# KiCad board PingDevKit-copy.kicad_pcb (continued)
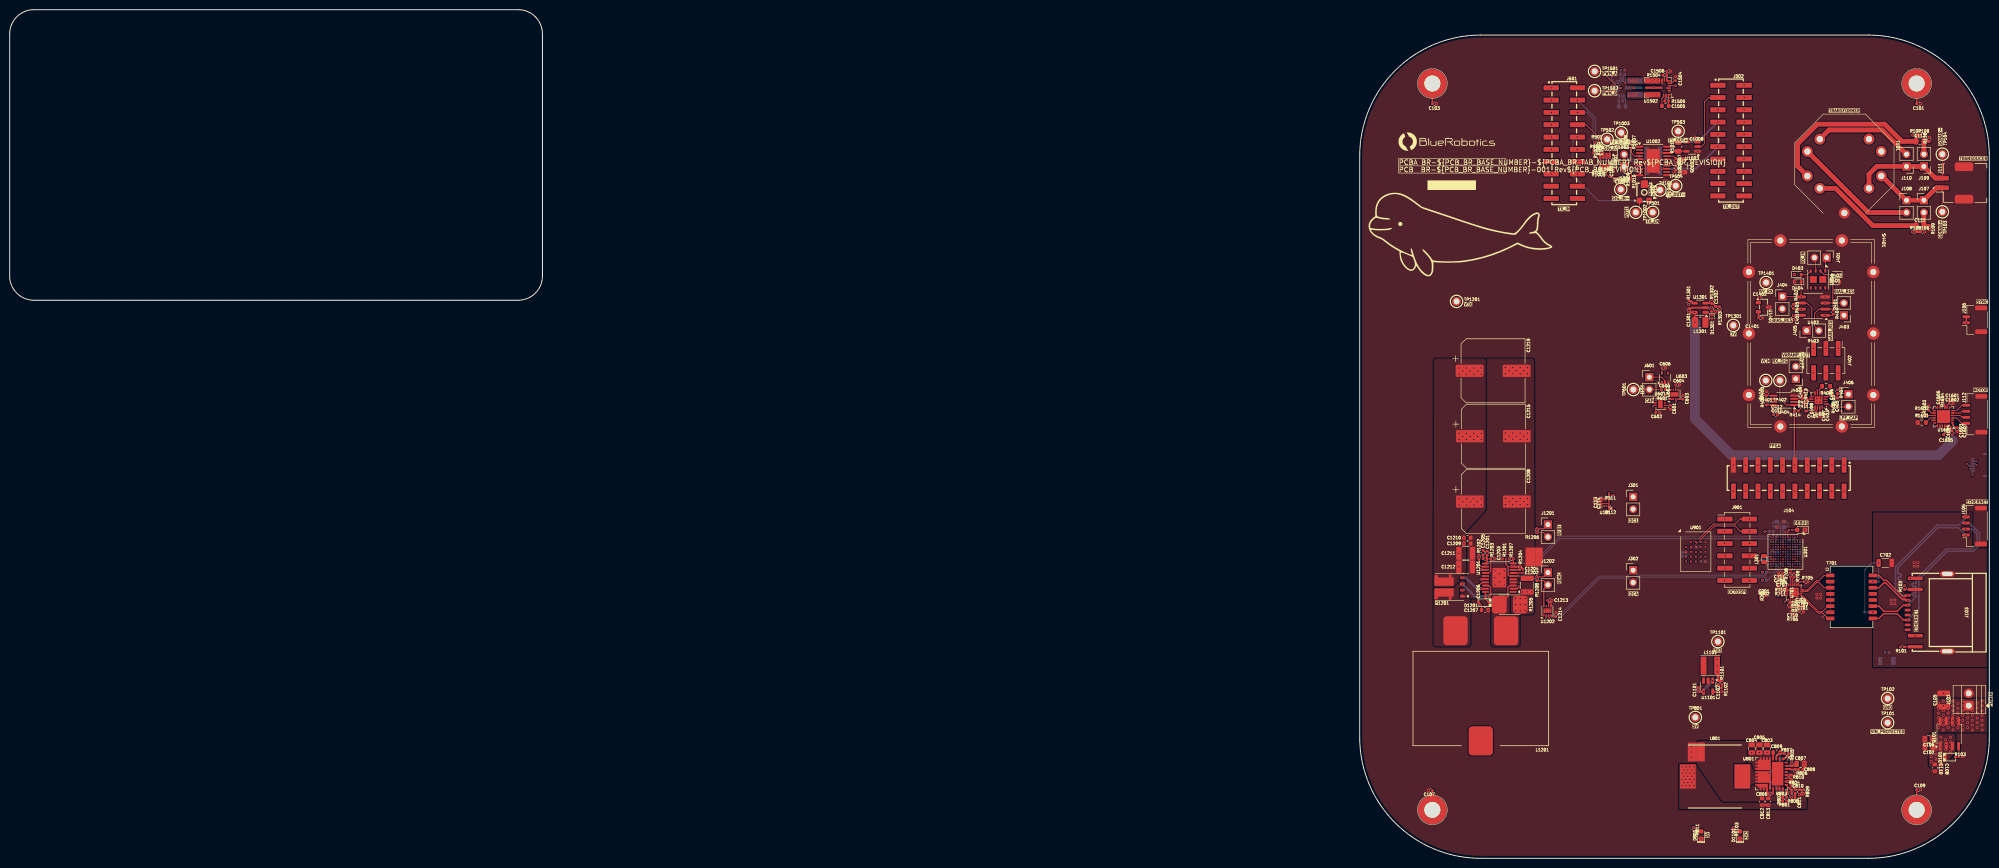
[diagram p0: board, top side]
## Routing (per net, layer and track width the routed paths; a pad name or vN(x,y) marks a point on that pad's centre or on a via; arc(x,y) is an arc through that point) (continued)
/ETH.RX-: length 39.1
  Top w0.3: v2(391.88,49.22) 390.98,49.22 389.7,50.5 386.94,50.5 385.98,49.53 T701.9
  Bottom w0.3: v2(391.88,49.22) 394.18,51.52 394.18,57.52 400.04,63.38 405.42,63.38 406.73,64.69 406.73,67.16 404.67,69.22 v2(403.84,69.22)
/ETH.TX+: length 36.4
  Top w0.3: v2(391.88,54.32) 391.56,54.32 391.3,54.06 390.87,54.06 387.53,57.4 387,57.4 385.98,58.42 T701.16
  Bottom w0.3: v2(391.88,54.32) 390.81,54.32 389.88,55.25 389.88,56.67 arc(389.95,56.84) 390.12,56.91 390.34,56.91 arc(390.51,56.98) 390.58,57.15 390.58,57.27 arc(390.51,57.44) 390.34,57.51 390.12,57.51 arc(389.95,57.58) 389.88,57.75 389.88,57.87 arc(389.95,58.04) 390.12,58.11 390.34,58.11 arc(390.51,58.18) 390.58,58.35 390.58,58.47 arc(390.51,58.64) 390.34,58.71 390.12,58.71 arc(389.95,58.78) 389.88,58.95 389.88,60.04 398.12,68.27 402.39,68.27 v2(403.94,66.72)
/ETH.TX-: length 36.4
  Top w0.3: v2(391.88,53.3) 391.56,53.3 391.3,53.56 390.67,53.56 387.33,56.9 387,56.9 385.98,55.88 T701.14
  Bottom w0.3: v2(403.94,70.32) 402.39,68.77 397.91,68.77 389.38,60.24 389.38,54.88 390.96,53.3 v2(391.88,53.3)
/Ethernet/RD_N: length 8.2
  Top w0.2: U701.7 370.03,53.81 370.23,53.81 373.39,50.65 374.31,50.65 375.43,49.53 T701.8
/Ethernet/RD_P: length 7.8
  Top w0.2: U701.8 370.03,54.11 370.35,54.11 373.51,50.95 374.31,50.95 375.43,52.07 T701.6
/Ethernet/TD_N: length 7.3
  Top w0.2: U701.10 370.27,55.02 370.32,55.07 371.24,55.07 373.16,57 373.5,57 374.62,55.88 T701.3
/Ethernet/TD_P: length 7.3
  Top w0.2: U701.11 370.27,55.42 370.32,55.37 371.11,55.37 373.04,57.3 373.5,57.3 374.62,58.42 T701.1
/GPIO1: length 139.2
  signal3.Cu w0.1: v3(368.15,62.79) 368.15,66.3 369.1,67.25
  signal3.Cu w0.2: 369.1,67.25 370.3,68.45 370.3,77.45 367.4,80.35 332.4,80.35 320.95,91.8 320.95,156.44 v2(318.29,159.1)
/I2C1.SCL: length 47.5
  Top w0.2: U101.1 330.21,72.01 R112.2 330.25,71.55 v1(330.22,71.53)
  signal1.Cu w0.1: v3(367.15,64.29) 367.15,64.3 367.45,64.6 367.45,67.1
  signal1.Cu w0.2: v1(330.22,71.53) 330.22,72.08 330.65,72.5 334.8,72.5 J301.2 336.3,73.2 365.25,73.2 367.45,71 367.45,67.1
/I2C1.SDA: length 48.1
  Top w0.2: v1(330.22,75.43) 330.25,75.4 R111.2 330.21,74.94 U101.4
  signal1.Cu w0.1: 367.95,67.1 367.95,64.59 v3(367.65,64.29)
  signal1.Cu w0.2: v1(330.22,75.43) 330.22,74.95 330.77,74.4 334.96,74.4 J301.1 336.24,73.6 365.42,73.6 367.95,71.07 367.95,67.1
/I2C4.SCL: length 95.3
  Top w0.2: U1202.2 317.26,49.77 317.25,49.76 v1(317.18,49.69) ; U602.2 U602.1 342.99,94.85 v1(342.65,94.85) ; U601.2 339.41,94.04 v1(339.4,94.05)
  signal2.Cu w0.2: v1(342.65,94.85) 341.85,94.05 v1(339.4,94.05) 339.05,94.05 338.5,93.5 338.5,62.8 J302.1
  Bottom w0.2: v3(364.65,60.29) 364.65,59.6 364.12,59.08 R305.2 362.7,58.68 362.5,58.47 361.65,58.47 336.22,58.48 J302.1 333.95,58.25 328.1,58.25 320.05,50.2 317.67,50.2 317.18,49.71 v1(317.18,49.69)
/I2C4.SDA: length 99.3
  Top w0.2: U1202.3 317.76,49.76 v1(317.85,49.67) ; v1(339.25,93.3) 339.49,93.54 U601.3 ; v1(344,94.35) U602.3
  signal2.Cu w0.2: J302.2 338.9,60.66 338.9,92.95 v1(339.25,93.3) 339.5,93.55 342,93.55 342.8,94.35 v1(344,94.35)
  Bottom w0.2: v1(317.85,49.67) 317.88,49.7 320.15,49.7 328.3,57.85 334.31,57.85 J302.2 336.31,58.07 362.41,58.07 362.7,57.79 R304.2 363.04,57.43 365.1,59.48 365.1,60.34 v3(364.65,60.79)
/LINK_LED: length 29.4
  Top w0.2: v1(367.5,52.69) 367.5,52.93 367.65,53.08 U701.2
  signal2.Cu w0.2: 390.35,43.65 387.5,46.5 370.9,46.5 367,50.4 367,52.19 v1(367.5,52.69)
  vias: v1(390.4,43.65)
/MAC.CRSDV: length 13.2
  Top w0.2: v1(366.25,56.23) 366.37,56.23 366.78,55.82 U701.20
  signal4.Cu w0.1: v1(366.25,56.23) 367.24,56.23 368.54,57.53 368.54,57.54 368.8,57.8 368.81,57.8 368.87,57.86 368.87,59.23 367.9,60.19 367.9,61.98 366.95,62.94 366.95,63.85 366.26,64.54 366.04,64.54 365.4,64.54 v3(365.15,64.29)
/MAC.MDC: length 11.6
  Top w0.2: v1(369.32,58.19) 369.32,58.11 368.45,57.24 U701.16
  signal4.Cu w0.1: v3(365.65,65.29) 365.9,65.05 367.3,65.05 368.02,64.33 368.02,63.27 368.4,62.89 368.4,60.14 369.32,59.23 v1(369.32,58.19)
/MAC.MDIO: length 14.6
  Top w0.2: U701.15 368.85,56.94 369.66,57.75 v1(370.05,57.75)
  signal4.Cu w0.1: v3(364.65,65.29) 365.4,66.04 367.48,66.04 368.22,65.3 368.22,63.63 368.9,62.95 368.9,60.6 370.05,59.45 v1(370.05,57.75)
/MAC.RXD0: length 10
  Top w0.2: U701.18 367.65,58.09 v1(367.65,58.09)
  signal4.Cu w0.1: v3(364.65,64.29) 364.65,63.9 365.5,63.05 366.55,63.05 367.4,62.2 367.4,59.73 367.17,59.5 367.17,58.57 v1(367.65,58.09)
/MAC.RXD1: length 11.9
  Top w0.2: v1(368.4,58.09) 368.4,57.94 368.05,57.59 U701.17
  signal4.Cu w0.1: v3(364.15,64.29) 364.15,63.8 365.4,62.55 366.75,62.55 366.9,62.4 366.9,58.1 367.35,57.64 367.95,57.64 v1(368.4,58.09)
/MAC.RXER: length 9.5
  Top w0.2: v1(366.25,55.43) 366.25,55.4 366.63,55.02 U701.22
  signal4.Cu w0.1: v1(366.25,55.43) 366.22,55.43 365.8,55.85 365.8,57.93 366.52,58.65 366.52,62.07 366.3,62.3 365.16,62.3 v3(365.15,62.29)
/MAC.TXD0: length 10.1
  Top w0.2: U701.23 365.62,54.62 v1(365.18,54.18)
  signal4.Cu w0.1: v1(365.18,54.18) 363.95,55.41 363.95,58.7 365.15,59.9 v3(365.15,61.29)
/MAC.TXD1: length 10.2
  Top w0.2: U701.24 366.05,54.22 v1(365.92,54.1)
  signal4.Cu w0.1: v3(366.15,61.79) 365.4,61.04 365.4,59.73 364.3,58.63 364.3,55.73 v1(365.92,54.1)
/MAC.TXEN: length 12.8
  Top w0.2: U701.1 366.99,53.43 366.57,53.01 v1(366.57,53)
  signal4.Cu w0.1: v3(364.65,61.79) 364.4,61.55 363.55,61.55 363.33,61.33 363.33,54.97 365.3,53 v1(366.57,53)
/MCU/DEBUG_LED: length 1.7
  Top w0.2: v3(367.15,66.29) 367.15,67.56 R303.1 367.41,67.83
/MCU/OSC_IN: length 3.3
  Bottom w0.2: 366.22,68.3 X301.1 ; X301.1 366.91,68.4 C302.1 ; X301.1 366.14,68.22 366.14,66.3 v3(366.15,66.29)
/MCU/OSC_OUT: length 4.6
  Bottom w0.2: C307.1 364.34,69.5 X301.3 365.23,69.19 365.33,69.19 365.65,68.88 365.65,66.31 365.63,66.29 v3(365.65,66.29)
/MOTOR_A+: length 3.3
  Top w0.2: U1601.3 401.96,90.95 403.09,89.82 J112.1
/MOTOR_A-: length 3
  Top w0.2: J112.2 403.12,91.07 402.74,91.45 U1601.4
/MOTOR_B+: length 3.3
  Top w0.2: J112.4 403.12,93.57 401.99,92.45 U1601.6
/MOTOR_B-: length 3
  Top w0.2: J112.3 403.12,92.32 402.74,91.95 U1601.5
/MOTOR_DIR: length 42.5
  Top w0.1: 397.7,89.31 v1(397.69,89.3)
  Top w0.2: U1601.19 397.7,89.31
  signal1.Cu w0.1: 370.49,60.22 369.72,60.22 v3(369.15,60.79)
  signal1.Cu w0.2: 397.67,89.3 v1(397.69,89.3) 397.64,89.25 397.64,87.1 370.77,60.22 370.49,60.22
/MOTOR_EN: length 44.6
  Top w0.1: 398.54,89.3 U1601.20
  Top w0.2: v1(398.54,88.75) 398.54,89.3
  signal1.Cu w0.1: 370.54,59.67 369.13,59.67 368.65,60.15 v3(368.65,61.29)
  signal1.Cu w0.2: v1(398.54,88.75) 398.54,87.43 370.79,59.67 370.54,59.67
/MOTOR_MODE0: length 44.5
  Top w0.2: v1(397.02,93.1) 396.99,93.06 396.99,92.7 397.24,92.45 U1601.13
  signal4.Cu w0.1: 370.42,64.55 368.9,64.55 v3(368.65,64.79)
  signal4.Cu w0.2: v1(397.02,93.1) 397.01,93.1 394.88,90.96 394.88,85.47 373.96,64.55 370.42,64.55
/MOTOR_MODE1: length 42.1
  Top w0.2: U1601.17 v1(396.88,90.45)
  signal1.Cu w0.1: v3(369.65,60.79) 370.46,60.79
  signal1.Cu w0.2: 370.46,60.79 370.47,60.8 370.78,60.8 396.84,86.86 396.84,90.42 396.87,90.45 v1(396.88,90.45)
/MOTOR_nFAULT: length 46
  Top w0.2: v1(398.27,94.5) 398.27,94.02 398.55,93.73 U1601.11
  signal4.Cu w0.1: v3(369.65,65.79) 369.65,65.8 370.2,66.35 370.45,66.35
  signal4.Cu w0.2: 370.45,66.35 374.62,66.35 393.43,85.16 393.43,91.93 395.97,94.47 398.27,94.47 v1(398.27,94.5)
/MOTOR_nSLEEP: length 46.3
  Top w0.2: v1(399.05,88.3) U1601.21
  signal1.Cu w0.1: v3(368.15,61.79) 368.15,61.39 368.44,61.1 368.44,60.07 369.22,59.3
  signal1.Cu w0.2: v1(399.05,88.3) 399.05,87.37 370.95,59.27 369.24,59.27
/MOTOR_STEP: length 49
  signal4.Cu w0.1: 370.44,65.05 369.4,65.05 v3(369.15,65.29)
  signal4.Cu w0.2: v1(397.42,89.9) 398.18,90.66 398.18,93.29 397.55,93.92 395.99,93.92 394.48,92.4 394.48,85.63 373.89,65.05 370.44,65.05
/MOTOR_VREF: length 50.7
  Top w0.2: v1(397.68,93.08) U1601.12
  signal3.Cu w0.1: v3(365.65,64.29) 365.97,63.97 365.97,63.6 365.8,63.43 365.8,63.1 366,62.9 366,62.55 367,61.55 370.32,61.55
  signal3.Cu w0.2: 370.32,61.55 371.52,61.55 396.24,86.27 396.24,91.57 397.68,93.01 v1(397.68,93.08)
/nRST: length 46.1
  signal2.Cu w0.1: v3(366.15,65.29) 366.16,65.3 367.05,65.3 367.8,66.05 369.92,66.05 369.92,66.05 370.45,66.05
  signal2.Cu w0.2: 370.45,66.05 381.7,66.05 396.68,81.03 403.75,81.03 v1(404.19,81.47)
  Bottom w0.2: J102.4 404.69,80.97 v1(404.19,81.47)
/OCTOSPI1.CLK: length 27.7
  Top w0.1: v1(347.15,64.29) 347.64,64.79 347.64,65.37 348.2,65.93 348.72,65.93 348.78,65.99
  Top w0.2: 348.78,65.99 351.81,69.02 356.24,69.02 357.29,70.07 v2(359.2,70.07)
  signal2.Cu w0.1: v3(366.15,64.79) 366.45,64.49 366.45,63.95 365.8,63.3 364.55,63.3 364.3,63.55 362.92,63.55 362.91,63.56
  signal2.Cu w0.2: 362.91,63.56 360.4,66.07 360.4,68.87 v2(359.2,70.07)
/OCTOSPI1.DQS: length 23.5
  signal2.Cu w0.1: 347.7,65.85 347.7,63.75 v1(348.15,63.29)
  signal2.Cu w0.2: 347.7,65.85 351.92,70.07 v2(354.15,70.07)
  signal4.Cu w0.1: v3(363.65,63.79) 363.65,64.55 362.75,65.45
  signal4.Cu w0.2: v2(354.15,70.07) 358.13,70.07 362.75,65.45
/OCTOSPI1.IO0: length 21.6
  signal1.Cu w0.1: v2(354.15,64.99) 354.15,64.94 355.1,64 361.98,64 362.83,64.85 363.52,65.54 366.25,65.54 366.65,65.14 v3(366.65,64.79)
  signal2.Cu w0.1: 349.54,63.82 348.94,63.82 348.64,63.52 348.64,62.87 348.15,62.38 v1(348.15,62.29)
  signal2.Cu w0.2: 349.54,63.82 352.98,63.82 v2(354.15,64.99)
/OCTOSPI1.IO1: length 23.3
  signal1.Cu w0.1: v3(366.65,65.79) 366.4,66.04 363.54,66.04 361.79,64.3 359.9,64.3 v2(359.2,64.99)
  signal2.Cu w0.1: 350.39,62.77 348.99,62.77 348.69,62.47 348.69,62.07 348.44,61.82 347.62,61.82 v1(347.15,62.29)
  signal2.Cu w0.2: 350.39,62.77 352.99,62.77 354.11,61.65 355.86,61.65 v2(359.2,64.99)
/OCTOSPI1.IO2: length 22.5
  signal1.Cu w0.1: v2(354.25,62.45) 354.25,62.49 355.15,63.4 362.25,63.4 362.9,64.05 366.43,64.05 366.93,63.55 368.3,63.55 368.9,64.15 368.9,65.05 368.66,65.29 v3(368.65,65.29)
  signal2.Cu w0.2: v1(349.15,63.29) 349.18,63.32 353.34,63.32 354.21,62.45 v2(354.25,62.45)
/OCTOSPI1.IO3: length 21.1
  signal1.Cu w0.1: v3(366.65,63.29) 366.4,63.54 362.83,63.54 362.38,63.1 359.8,63.1 359.2,62.49 v2(359.2,62.45)
  signal2.Cu w0.1: v1(349.15,62.29) 349.64,61.8 349.64,61.12 349.94,60.82
  signal2.Cu w0.2: v2(359.2,62.45) 355.97,59.22 351.54,59.22 349.94,60.82
/OCTOSPI1.IO4: length 21
  signal1.Cu w0.1: v3(365.65,64.79) 365.63,64.79 365.38,65.04 363.45,65.04 362.1,63.7 354.71,63.7 353.7,62.68 353.7,62.23 353.7,60.36 v2(354.15,59.91)
  signal2.Cu w0.2: v2(354.15,59.91) 352.55,59.91 350.17,62.29 v1(350.15,62.29)
/OCTOSPI1.IO5: length 20.7
  signal1.Cu w0.1: v3(365.65,62.79) 365.65,62.44 365.25,62.04 361.29,62.04 359.22,59.97 359.22,59.89 v2(359.2,59.91)
  signal2.Cu w0.2: v2(359.2,59.91) 358.11,58.82 350.24,58.82 348.15,60.92 v1(348.15,61.29)
/OCTOSPI1.IO6: length 20.4
  signal1.Cu w0.1: v2(354.15,57.37) 354.17,57.39 354.95,57.39 360.35,62.79 v3(363.65,62.79)
  signal2.Cu w0.2: v1(347.15,61.29) 347.17,61.29 350.04,58.42 353.1,58.42 v2(354.15,57.37)
/OCTOSPI1.IO7: length 26.8
  signal1.Cu w0.1: v3(364.65,62.79) 364.65,62.83 364.89,63.07 365.76,63.07 365.93,62.91 365.93,62.42 365.05,61.54 362.14,61.54 359.22,58.62 359.22,57.39 v2(359.2,57.37)
  signal2.Cu w0.2: v1(346.15,61.29) 346.17,61.29 346.84,60.62 347.24,60.62 351.29,56.57 358.39,56.57 359.19,57.37 v2(359.2,57.37)
/OCTOSPI1.NCLK: length 26.7
  Top w0.1: v1(346.15,64.29) 346.56,63.88 347.24,63.88 349.24,65.88
  Top w0.2: 349.24,65.88 351.98,68.62 356.24,68.62 357.34,67.52 359.19,67.52 v2(359.2,67.53)
  signal2.Cu w0.1: v3(367.65,63.79) 366.9,63.05 362.85,63.05 362.85,63.05
  signal2.Cu w0.2: 362.85,63.05 359.2,66.7 v2(359.2,67.53)
/OCTOSPI1.NCS: length 18.9
  signal2.Cu w0.2: v2(354.15,67.53) 350.39,67.53 v1(348.15,65.29)
  signal4.Cu w0.1: 362.6,63.2 362.76,63.04 363.9,63.04 v3(364.15,62.8)
  signal4.Cu w0.2: v2(354.15,67.53) 358.27,67.53 362.6,63.2
/PHY_nRST: length 15
  Top w0.2: R706.1 C710.1 368.9,51.14 368.9,52.72 v1(368.88,52.75) 368.85,52.77 U701.5
  signal4.Cu w0.1: 368.85,52.77 v1(368.88,52.75) 368.88,52.75 368.18,53.45 365.28,53.45 363.65,55.08 363.65,58.83 364.15,59.33 v3(364.15,60.29)
/PHY_REF_CLK: length 10.3
  signal2.Cu w0.1: v1(369.75,56.34) 369.75,57.1 368.85,58 368.85,59.1 368.12,59.83 367.15,59.83 366.85,60.13 366.85,60.5 367.09,60.74 367.1,60.74 v3(367.15,60.79)
  Bottom w0.1: v3(366.15,64.29) 367.15,63.29 v3(367.15,60.79)
/Power/5V Buck/SW: length 18.1
  Top w0.35: R807.1 365.75,21.65 v2(365.55,21.85) 364.77,21.07 U801.3 ; U801.12 363.47,15.62 U801.20
  Bottom w0.35: v2(367.85,12.55) 367,12.55 363.25,16.3 v2(363.25,17.6) 365.55,19.9 v2(365.55,21.85)
/Power/VTX Boost/FB: length 26.6
  Top w0.2: R1206.2 v2(315.34,67.23) 316.75,67.23 J1201.2 ; v2(310.45,61.83) 310.45,61.94 309.56,62.83 305.84,62.83 305.27,63.4 C1201.2 304.45,63.4 C1205.2 ; R1208.1 v2(315.34,58.13) 316.75,58.13 J1202.1
  Top w0.25: U1201.10 310.45,60.88 v2(310.45,61.83) R1207.1
  signal2.Cu w0.2: 311.64,61.83 315.34,65.53 v2(315.34,67.23) ; 311.64,61.83 v2(315.34,58.13) ; 311.64,61.83 v2(310.45,61.83)
/Power/VTX Boost/HO: length 5.7
  Top w0.25: v2(303.77,55.68) U1201.19
  Bottom w0.5: v2(303.77,55.68) 302.9,55.68 300.66,57.92 v2(299.95,57.92)
/Power/VTX Boost/LO: length 5.7
  Top w0.25: v2(303.77,57.63) U1201.16
  signal2.Cu w0.5: v2(303.77,57.63) 302.92,57.63 300.67,55.38 v2(299.95,55.38)
/Power/VTX Boost/SOURCE: length 9.9
  Top w0.25: U1201.18 305.46,56.33 305.79,56 305.79,54.36 v2(305.55,54.12) C1206.1
  Bottom w0.5: v2(299.95,56.65) 302.48,54.12 v2(305.55,54.12)
/PSRAM_nRST: length 17.3
  signal4.Cu w0.1: 362.52,62.72 362.69,62.54 363.9,62.54 v3(364.15,62.29)
  signal4.Cu w0.2: v1(349.15,65.29) 350.46,66.6 358.63,66.6 362.52,62.72
/RX+: length 56.3
  Top w0.2: U401.1 374.9,121.3 374.9,123.75 J401.1
  Top w1: J108.2 383.79,133.36 371.2,145.95 T101.3
  signal1.Cu w1: J401.1 375.18,132.44 379.15,136.4 388.45,136.4 391.49,133.36 J108.2
/RX-: length 56.1
  Top w0.2: U401.3 372.9,121.3 372.9,123.78 J401.2
  Top w1: J110.2 391.65,145.4 386.65,150.4 375.63,150.4 T101.4
  signal1.Cu w1: J110.2 391.5,145.4 389.7,143.6 384.35,143.6 372.64,131.9 J401.2
/RX/GAIN: length 41.7
  Top w0.2: v1(341.05,96.79) 341.15,96.89 U603.1 ; v1(341.05,96.79) R601.2 ; v1(341.05,96.79) 338.58,96.79 J601.2 338.53,96.8 TP601.1 ; U403.7 v1(373.25,96.7)
  signal1.Cu w0.2: v1(341.05,96.79) 341.51,97.25 372.7,97.25 v1(373.25,96.7)
/RX/MODE_SEL: length 1.7
  Top w0.2: R408.2 373.75,97.03 U403.6
/RX/PREAMP_IN+: length 28.1
  Top w0.2: R401.1 376.7,114.69 376.71,114.67 J403.2 ; R401.1 374.87,114.69 v2(374.86,114.67) ; R401.1 D402.1 376.38,119.09 D401.2 375.39,120.54 375.39,120.56 374.61,120.56 U401.2
  signal2.Cu w0.2: v2(374.86,114.67) 375.95,113.58 375.95,101.84 v2(377.54,100.25)
/RX/PREAMP_IN-: length 23.8
  Top w0.2: U401.4 371.13,120.54 D403.2 369.88,115.97 v2(369.91,115.94) 369.85,116 R402.2 366.02,116 J404.1 366.07,116.01 366.08,116
  signal2.Cu w0.2: v2(372.46,105.3) 371.45,105.3 369.25,107.5 369.25,115.28 v2(369.91,115.94)
/RX/PREAMP_OUT+: length 9.1
  Top w0.2: v2(374.86,112.13) 376.28,112.13 R404.2
  signal2.Cu w0.2: v2(374.86,112.13) 375.55,111.44 375.55,105.92 375,105.37 v2(375,105.3)
/RX/PREAMP_OUT-: length 17.2
  Top w0.2: v2(369.91,113.4) 368.42,113.4 R405.2
  signal2.Cu w0.2: v2(375,100.25) 375,103.61 372.35,106.26 372.35,110.96 v2(369.91,113.4)
  Bottom w0.2: v2(369.91,113.4) 369.8,113.29
/RX/VARAMP_IN+: length 14.2
  Top w0.2: v1(378.3,92.37) R406.1
  signal2.Cu w0.2: v1(378.3,92.37) 378.3,104.54 v2(377.54,105.3)
/RX/VARAMP_IN-: length 6.8
  signal2.Cu w0.2: v2(372.46,100.25) 372.46,99.49 375.18,96.77 v1(377.39,96.77)
/RX/VCM: length 0.4
  Top w0.2: v1(376.75,114.1) 376.45,114.1 R401.2
  PWR.Cu w0.5: 378.75,112.12 J403.1 378.72,112.13
  vias: v1(364.22,94.9) v1(364.22,94.25) v1(368.38,116.6)
/RX/VREF_1V5: length 2.9
  Top w0.2: U403.13 372.75,92.75 372.2,92.2 372.2,92.02
  PWR.Cu w0.5: v1(372.72,93.14) v1(374.27,93.14)
/RX_SIG: length 13.5
  signal3.Cu w0.1: 366.85,66.93 366.4,66.48 366.4,63.54 v3(366.15,63.29)
  signal3.Cu w0.2: v2(368.61,75.8) 368.61,68.69 366.85,66.93
/RX_SIG_AFE: length 19.7
  Top w0.2: TP402.1 365.5,94.97 366.87,93.6 U404.1
  Top w0.3: U404.1 368.49,93.55 R414.2 368.49,81.34 v2(368.61,81.22)
/SD0: length 132.8
  signal1.Cu w0.1: v3(366.15,60.29) 365.9,60.05 365.55,60.05 365.4,60.19 365.4,61.44 367.27,63.3 369.6,63.3 370.4,64.1
  signal1.Cu w0.2: 370.4,64.1 371.29,64.99 371.29,68.29 365.58,74 354.4,74 325.85,102.55 325.85,154.54 330.8,159.49 330.8,159.55
  Bottom w0.2: U1501.3 v2(330.85,159.54)
/SD1: length 143.9
  Top w0.2: v2(344,159.54) 344,159.54 U1502.3
  signal1.Cu w0.1: v3(366.65,62.29) 366.67,62.29 367.42,63.05 370.05,63.05 370.77,63.78
  signal1.Cu w0.2: v2(344,159.54) 344.05,159.59 344.05,159.6 342.15,161.5 333.66,161.5 326.25,154.09 326.25,102.72 354.57,74.4 365.75,74.4 371.7,68.45 371.7,64.7 370.77,63.78
/SONAR+: length 20.8
  Top w0.2: J111.1 399.02,138.41 399.02,133.53 TP103.1
  Top w1: J111.1 397.8,138.46 J107.1 J108.1 ; T101.7 386.56,140.89 391.55,135.9 J108.1 ; J108.1 391.58,135.9
/SONAR-: length 24.7
  Top w0.2: TP104.1 399.07,145.38 J111.2
  Top w1: T101.8 383.9,141.25 385.55,142.9 391.62,142.9 J110.1 J109.1 395.24,142.84 397.62,140.46 J111.2
/SPI5.MISO: length 25.8
  signal3.Cu w0.1: v3(364.65,61.29) 364.9,61.05 364.9,59.95 363.15,58.2
  signal3.Cu w0.2: v2(355.91,75.8) 355.9,75.79 355.9,74.65 359.8,70.75 359.8,59.55 361.3,58.05 363,58.05 363.15,58.2
/SPI5.MOSI: length 23
  signal3.Cu w0.1: 363,58.65 364.4,60.05 364.4,60.55 v3(364.15,60.79)
  signal3.Cu w0.2: 363,58.65 362.8,58.45 361.5,58.45 360.2,59.75 360.2,70.92 358.45,72.67 v2(358.45,75.8)
/SPI5.NSS: length 14.2
  signal3.Cu w0.1: v3(364.65,64.79) 364.65,64.79 364.9,64.54 364.9,64.2 364.7,64 363.9,64 363,64.9 363,65.05
  signal3.Cu w0.2: 363,65.05 363,75.27 v2(363.53,75.8)
/SPI5.SCK: length 19
  signal3.Cu w0.1: 363,59.68 363.05,59.68 363.65,60.28 v3(363.65,60.29)
  signal3.Cu w0.2: v2(360.99,75.8) 360.55,75.36 360.55,71.13 360.6,71.08 360.6,60.72 361.65,59.68 363,59.68
/SWCLK: length 46.6
  signal2.Cu w0.1: 370.57,61.79 v3(368.65,61.79)
  signal2.Cu w0.2: 370.57,61.79 378.01,61.79 396.84,80.63 404.19,80.63 405.53,81.97 v1(406.09,81.97)
  Bottom w0.2: v1(406.09,81.97) J102.2
/SWDIO: length 47.8
  signal2.Cu w0.1: 370.44,60.47 368.44,60.47 368.15,60.77 v3(368.15,60.79)
  signal2.Cu w0.2: v1(406.12,81.23) 406.12,80.9 405.04,79.82 397.18,79.82 377.83,60.47 370.44,60.47
  Bottom w0.2: v1(406.12,81.23) 405.87,81.47 J102.3
/SYNC: length 59
  Top w0.3: v2(404,110.58) J106.2
  signal2.Cu w0.3: v2(358.45,81.22) 363.78,86.55 379.95,86.55 403.97,110.58 v2(404,110.58)
/TGC_RST: length 17.3
  signal3.Cu w0.1: 370.3,61.95 368.99,61.95 v3(368.65,62.29)
  signal3.Cu w0.2: 370.3,61.95 370.69,61.95 373.7,64.96 373.7,75.79 v2(373.69,75.8)
/TGC_RST_AFE: length 41.9
  signal4.Cu w0.2: v2(373.69,81.22) 370.01,84.9 355.72,84.9 349.4,91.22 349.4,96.05 345.26,100.19 v1(342.45,100.19)
/TX+: length 71.5
  Top w0.55: R106.1 R105.2 C111.1
  Top w1: C111.1 384.69,130.66 377,138.35 T101.1
  signal1.Cu w1: 359.75,151 359.75,146.5 367.9,138.35 T101.1 ; v2(335.34,159.12) 336.1,159.12 341.82,153.4 357.35,153.4
  vias: v2(358.13,154.56) v2(358.13,152.02)
/TX-: length 76.6
  Top w0.55: R108.1 R107.2 C112.1
  Top w1: C112.1 390.69,148.06 387.15,151.6 373.25,151.6 369.15,147.5 369.15,142.94 T101.2
  signal3.Cu w1: v2(339.47,159.12) 340.55,159.12 348.97,150.7 355.57,150.7 365.38,140.89 T101.2
  vias: v2(358.13,149.48) v2(358.13,146.94)
/TX/2X_ATT_AB: length 9.7
  Top w0.2: R501.1 327.47,148.47 v1(327.46,148.47)
  Bottom w0.2: v1(327.46,148.47) 327.46,152.81 v2(323.71,156.56)
/TX/10X_ATT_AB: length 8.9
  Bottom w0.2: v2(323.71,154.02) 325.68,154.02 326.95,152.75 326.95,148.1 327.25,147.8 v1(327.25,147.77)
/TX/I_SENSE_AB: length 13.4
  Top w0.2: U1003.2 349.32,146.97 349.95,147.6 349.95,156.2 350.85,157.1 J502.3
/TX/LT1794 Integrated Class AB/SIG_IN+: length 8
  Top w0.2: v1(329.7,145.07) U1001.1 330.35,146.05 331.9,147.59 332.65,147.59 ; TP1003.1 C1003.2 332.7,147.59
  Bottom w0.2: v1(329.7,145.07) 329.7,143.98 R1003.1
/TX/LT1794 Integrated Class AB/SIG_IN-: length 7.2
  Top w0.2: TP1004.1 C1004.2 330.41,140.54 329.65,141.3 R1006.2 329.65,142.75 U1001.7
/TX/SIG_IN_AB: length 9.1
  Top w0.2: R501.2 R502.1 328.05,147.77 328.05,147.03 ; R501.2 328.05,148.92 325.49,151.48 J501.8 ; R501.2 329.85,148.47 TP502.1
/TX/SIG_OUT+_AB: length 12.2
  Top w0.2: TP503.1 344.5,147.86 R1015.2
  Top w0.4: v1(346.24,147.92) 344.59,147.92 R1015.2
  Bottom w0.4: v1(346.24,147.92) 348.57,147.92 352.67,152.02 v2(352.71,152.02)
  vias: v2(352.71,154.56)
/TX/SIG_OUT-_AB: length 23.2
  Bottom w0.2: R1014.2 344,142.4 TP504.1
  Bottom w0.4: v2(352.71,149.48) v2(352.71,146.94) 348.16,142.39 342.16,142.39 U1002.13 v2(341.25,142.39) 340.71,142.39 R1014.2
/TX/TX_EN_AB: length 29
  Top w0.2: v2(338.51,135.84) 338.51,135.83 338.51,134.13 TP501.1
  Bottom w0.2: v2(323.71,148.94) 322.75,147.98 322.75,141 327.91,135.84 v2(338.51,135.84)
/TX/VTX_AB: length 5.7
  Top w0.2: U1002.14 343.89,143.04 C1006.1 ; U1002.17 343.54,144.99 C1007.1 345.36,144.52 v2(345.51,144.37)
  PWR.Cu w0.2: v2(345.51,144.37) 345.39,144.37
  vias: v1(334.25,139.95) v1(335.05,148.3) v1(344.01,142.99) v2(323.71,146.4) v2(323.71,143.86) v2(352.71,144.4) v2(352.71,141.86)
/TX_2X_ATT: length 136.6
  signal3.Cu w0.1: 368.53,67.25 367.9,66.62 367.9,63.04 v3(367.65,62.79)
  signal3.Cu w0.2: v2(318.29,156.56) 320.55,154.3 320.55,91.63 332.23,79.95 367.23,79.95 369.9,77.28 369.9,77.12 369.9,68.62 368.53,67.25
/TX_10X_ATT: length 135.8
  signal3.Cu w0.1: v3(368.65,62.79) 368.37,62.52 367.54,62.52 366.9,63.15 366.9,66.25 366.9,66.25 366.9,66.4 367.78,67.27
  signal3.Cu w0.2: 367.78,67.27 369.5,68.99 369.5,76.95 369.5,76.95 369.5,77.12 367.07,79.55 332.07,79.55 320.15,91.47 320.15,152.16 v2(318.29,154.02)
/TX_EN: length 16.9
  signal3.Cu w0.1: 370.32,62.45 369.31,62.45 v3(369.15,62.29)
  signal3.Cu w0.2: v2(371.15,75.8) 373.3,73.65 373.3,65.12 370.62,62.45 370.32,62.45
/TX_EN_AFE: length 105.4
  signal3.Cu w0.2: 318.29,148.91 v2(318.29,148.94)
  signal4.Cu w0.2: v2(318.29,148.94) 316.65,147.3 316.65,111.1 343.25,84.5 367.87,84.5 v2(371.15,81.22)
/TX_I_SENSE: length 103.5
  signal2.Cu w0.1: 364.75,67.27 364.75,67.25 365.35,66.65 365.35,66.09 v3(365.65,65.79)
  signal2.Cu w0.2: v2(358.13,157.1) 354.35,157.1 349.8,152.55 349.8,85.92 359.5,76.22 359.5,72.52 364.75,67.27
/TX_PWM_A: length 21
  signal1.Cu w0.1: 370.35,62.55 370.35,62.55 368.15,62.55 366.89,61.29 v3(366.15,61.29)
  signal1.Cu w0.2: v2(376.23,75.8) 376.23,73.83 373.42,71.02 373.42,64.58 371.39,62.55 370.35,62.55
/TX_PWM_A_AFE: length 122
  Top w0.2: v1(342.7,158.24) 342.7,158.39 342.7,158.39 342.7,158.51 U1502.1 ; v1(332.75,159.04) 332.21,159.04 328.75,162.5 TP1501.1
  signal4.Cu w0.2: v2(376.23,81.22) 372.15,85.3 355.88,85.3 349.8,91.38 349.8,153.55 345.1,158.25 342.71,158.25 342.7,158.24 v1(342.7,158.24) 340.81,156.35 334.68,156.35 332.75,158.28 v1(332.75,159.04)
  Bottom w0.2: U1501.2 v1(332.75,159.04)
/TX_PWM_B: length 22.7
  signal1.Cu w0.1: 370.35,62.04 368.43,62.04 368.37,62.1 368,62.1 366.69,60.79 v3(366.15,60.79)
  signal1.Cu w0.2: v2(378.77,75.8) 373.82,70.86 373.82,64.41 371.45,62.04 370.35,62.04
/TX_PWM_B_AFE: length 125.3
  Top w0.2: v1(342.12,159.04) 342.13,159.05 342.65,159.05 U1502.2 ; v1(331.55,158.54) 331.51,158.5 TP1502.1
  signal4.Cu w0.2: v1(331.55,158.54) 331.55,159.6 333.75,161.8 340.75,161.8 341.95,160.6 341.95,159.22 v1(342.12,159.04) 342.37,158.8 345.2,158.8 350.2,153.8 350.2,91.55 356.05,85.7 374.29,85.7 v2(378.77,81.22)
  Bottom w0.2: U1501.1 v1(331.55,158.54)
/TX_SIG: length 12
  signal3.Cu w0.1: v3(364.15,64.79) 363.9,65.04 363.9,67.2
  signal3.Cu w0.2: 363.9,67.2 363.9,73.63 v2(366.07,75.8)
/TX_SIG_AFE: length 103.5
  signal4.Cu w0.2: v2(366.07,81.22) 363.19,84.1 343.09,84.1 316.25,110.93 316.25,145.92 316.25,145.92 316.25,149.45 318.28,151.48 v2(318.29,151.48)
/USART1.RX: length 45.8
  signal2.Cu w0.1: v3(367.65,61.29) 368.15,61.29 368.4,61.05 370.45,61.05
  signal2.Cu w0.2: v1(404.74,80.47) 404.49,80.22 397.01,80.22 377.83,61.05 370.45,61.05
  Bottom w0.2: J102.5 v1(404.74,80.47)
/USART1.TX: length 47.3
  signal2.Cu w0.1: 370.61,60.07 370.58,60.04 367.4,60.04 v3(367.15,60.29)
  signal2.Cu w0.2: v1(405.29,79.12) 404.99,79.42 397.34,79.42 377.99,60.07 370.61,60.07
  Bottom w0.2: J102.6 405.29,79.92 v1(405.29,79.12)
/V_SENSE: length 11.9
  Top w0.2: R201.1 361.39,54.65 C201.1 R202.1
  signal3.Cu w0.1: v3(365.65,63.79) 365.4,63.54 365.4,59.82 365.07,59.5
  signal3.Cu w0.2: v1(361.9,54.65) 361.9,54.65 364.75,57.5 364.75,59.18 365.07,59.5
